# KiCad board MPPT Li-Ion CN3791 charger board_panel.kicad_pcb (continued)
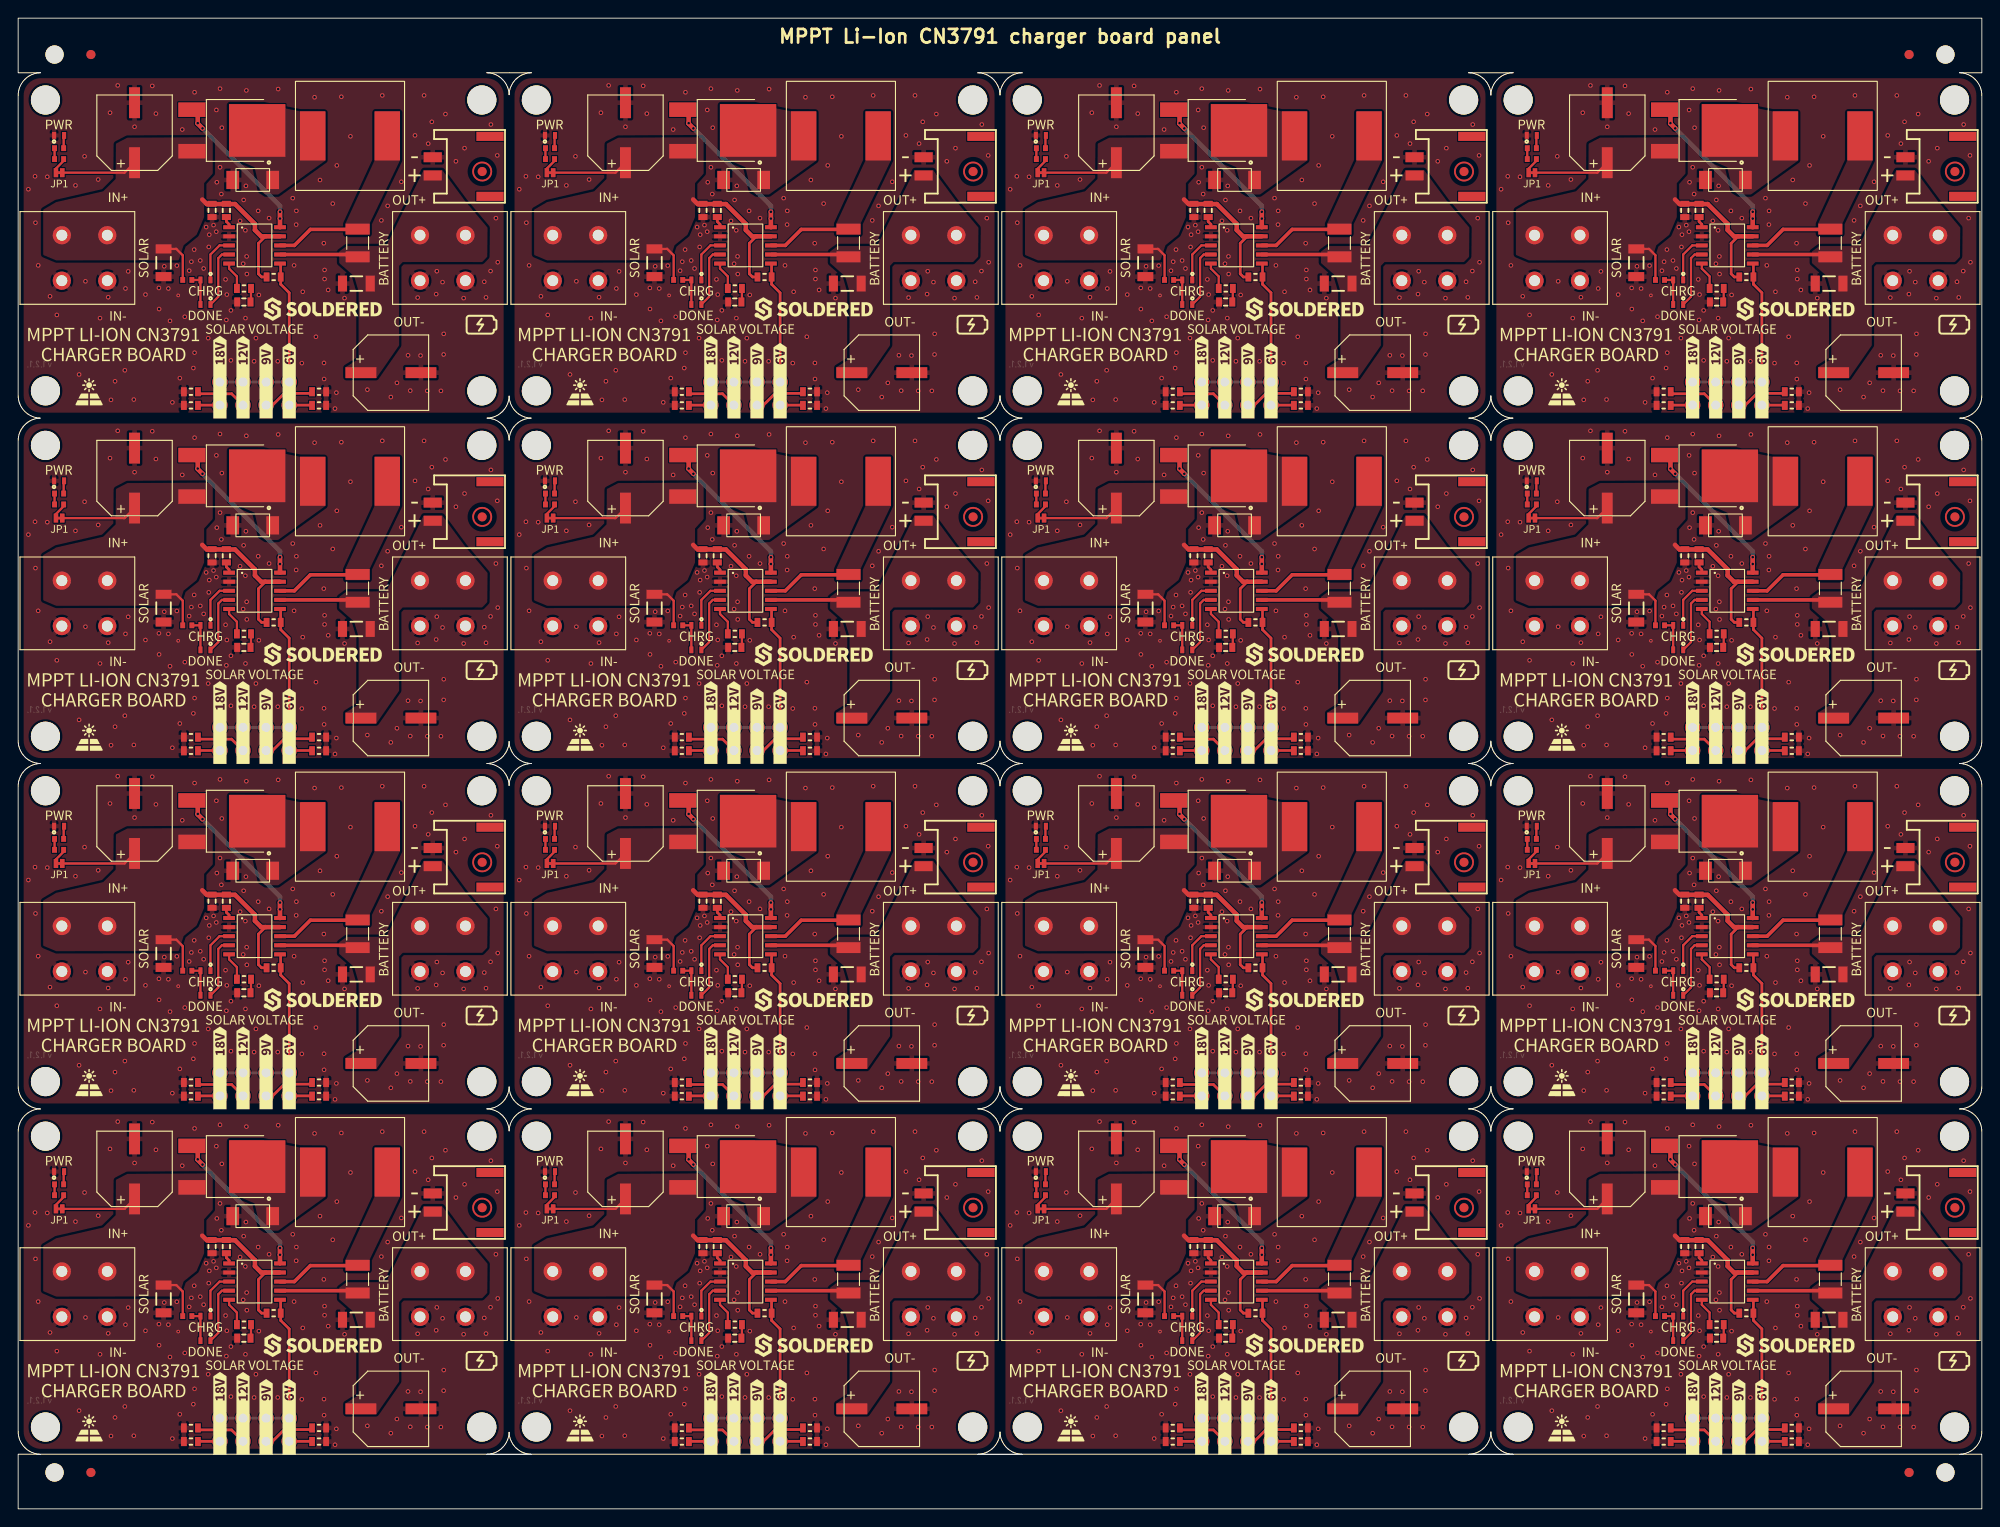
[diagram p0: board, top side]
## Placement (name value [footprint] x y rotation side) (continued)
kibuzzard-63FDC4D6#4  G***  [kibuzzard-63FDC4D6]  173 144.3 0 top
kibuzzard-63FDC4D6#5  G***  [kibuzzard-63FDC4D6]  11 144.3 0 top
kibuzzard-63FDC4D6#6  G***  [kibuzzard-63FDC4D6]  65 30.3 0 top
kibuzzard-63FDC4D6#7  G***  [kibuzzard-63FDC4D6]  119 144.3 0 top
kibuzzard-63FDC4D6#8  G***  [kibuzzard-63FDC4D6]  65 144.3 0 top
kibuzzard-63FDC4D6#9  G***  [kibuzzard-63FDC4D6]  65 68.3 0 top
kibuzzard-63FDC4D6#10  G***  [kibuzzard-63FDC4D6]  173 68.3 0 top
kibuzzard-63FDC4D6#11  G***  [kibuzzard-63FDC4D6]  173 106.3 0 top
kibuzzard-63FDC4D6#12  G***  [kibuzzard-63FDC4D6]  119 30.3 0 top
kibuzzard-63FDC4D6#13  G***  [kibuzzard-63FDC4D6]  173 30.3 0 top
kibuzzard-63FDC4D6#14  G***  [kibuzzard-63FDC4D6]  11 30.3 0 top
kibuzzard-63FDC4D6#15  G***  [kibuzzard-63FDC4D6]  11 68.3 0 top
kibuzzard-63FDC4D6#16  G***  [kibuzzard-63FDC4D6]  11 106.3 0 top
kibuzzard-63FDC4F1  G***  [kibuzzard-63FDC4F1]  65 131.24 0 top
kibuzzard-63FDC4F1#2  G***  [kibuzzard-63FDC4F1]  11 55.24 0 top
kibuzzard-63FDC4F1#3  G***  [kibuzzard-63FDC4F1]  173 17.24 0 top
kibuzzard-63FDC4F1#4  G***  [kibuzzard-63FDC4F1]  173 93.24 0 top
kibuzzard-63FDC4F1#5  G***  [kibuzzard-63FDC4F1]  11 93.24 0 top
kibuzzard-63FDC4F1#6  G***  [kibuzzard-63FDC4F1]  11 17.24 0 top
kibuzzard-63FDC4F1#7  G***  [kibuzzard-63FDC4F1]  65 55.24 0 top
kibuzzard-63FDC4F1#8  G***  [kibuzzard-63FDC4F1]  119 17.24 0 top
kibuzzard-63FDC4F1#9  G***  [kibuzzard-63FDC4F1]  119 131.24 0 top
kibuzzard-63FDC4F1#10  G***  [kibuzzard-63FDC4F1]  173 55.24 0 top
kibuzzard-63FDC4F1#11  G***  [kibuzzard-63FDC4F1]  65 93.24 0 top
kibuzzard-63FDC4F1#12  G***  [kibuzzard-63FDC4F1]  173 131.24 0 top
kibuzzard-63FDC4F1#13  G***  [kibuzzard-63FDC4F1]  65 17.24 0 top
kibuzzard-63FDC4F1#14  G***  [kibuzzard-63FDC4F1]  11 131.24 0 top
kibuzzard-63FDC4F1#15  G***  [kibuzzard-63FDC4F1]  119 93.24 0 top
kibuzzard-63FDC4F1#16  G***  [kibuzzard-63FDC4F1]  119 55.24 0 top
kibuzzard-63FDC6EA  G***  [kibuzzard-63FDC6EA]  43.6 32.7 0 top
kibuzzard-63FDC6EA#2  G***  [kibuzzard-63FDC6EA]  43.6 70.7 0 top
kibuzzard-63FDC6EA#3  G***  [kibuzzard-63FDC6EA]  151.6 108.7 0 top
kibuzzard-63FDC6EA#4  G***  [kibuzzard-63FDC6EA]  205.6 146.7 0 top
kibuzzard-63FDC6EA#5  G***  [kibuzzard-63FDC6EA]  97.6 32.7 0 top
kibuzzard-63FDC6EA#6  G***  [kibuzzard-63FDC6EA]  205.6 108.7 0 top
kibuzzard-63FDC6EA#7  G***  [kibuzzard-63FDC6EA]  43.6 146.7 0 top
kibuzzard-63FDC6EA#8  G***  [kibuzzard-63FDC6EA]  43.6 108.7 0 top
kibuzzard-63FDC6EA#9  G***  [kibuzzard-63FDC6EA]  151.6 32.7 0 top
kibuzzard-63FDC6EA#10  G***  [kibuzzard-63FDC6EA]  151.6 146.7 0 top
kibuzzard-63FDC6EA#11  G***  [kibuzzard-63FDC6EA]  205.6 32.7 0 top
kibuzzard-63FDC6EA#12  G***  [kibuzzard-63FDC6EA]  97.6 108.7 0 top
kibuzzard-63FDC6EA#13  G***  [kibuzzard-63FDC6EA]  97.6 146.7 0 top
kibuzzard-63FDC6EA#14  G***  [kibuzzard-63FDC6EA]  205.6 70.7 0 top
kibuzzard-63FDC6EA#15  G***  [kibuzzard-63FDC6EA]  97.6 70.7 0 top
kibuzzard-63FDC6EA#16  G***  [kibuzzard-63FDC6EA]  151.6 70.7 0 top
kibuzzard-63FDC6FB  G***  [kibuzzard-63FDC6FB]  151.6 72.7 0 top
kibuzzard-63FDC6FB#2  G***  [kibuzzard-63FDC6FB]  43.6 34.7 0 top
kibuzzard-63FDC6FB#3  G***  [kibuzzard-63FDC6FB]  43.6 148.7 0 top
kibuzzard-63FDC6FB#4  G***  [kibuzzard-63FDC6FB]  97.6 148.7 0 top
kibuzzard-63FDC6FB#5  G***  [kibuzzard-63FDC6FB]  151.6 110.7 0 top
kibuzzard-63FDC6FB#6  G***  [kibuzzard-63FDC6FB]  205.6 110.7 0 top
kibuzzard-63FDC6FB#7  G***  [kibuzzard-63FDC6FB]  97.6 110.7 0 top
kibuzzard-63FDC6FB#8  G***  [kibuzzard-63FDC6FB]  43.6 72.7 0 top
kibuzzard-63FDC6FB#9  G***  [kibuzzard-63FDC6FB]  43.6 110.7 0 top
kibuzzard-63FDC6FB#10  G***  [kibuzzard-63FDC6FB]  205.6 148.7 0 top
kibuzzard-63FDC6FB#11  G***  [kibuzzard-63FDC6FB]  205.6 34.7 0 top
kibuzzard-63FDC6FB#12  G***  [kibuzzard-63FDC6FB]  97.6 72.7 0 top
kibuzzard-63FDC6FB#13  G***  [kibuzzard-63FDC6FB]  151.6 148.7 0 top
kibuzzard-63FDC6FB#14  G***  [kibuzzard-63FDC6FB]  97.6 34.7 0 top
kibuzzard-63FDC6FB#15  G***  [kibuzzard-63FDC6FB]  151.6 34.7 0 top
kibuzzard-63FDC6FB#16  G***  [kibuzzard-63FDC6FB]  205.6 72.7 0 top
kibuzzard-63FDC7B8  G***  [kibuzzard-63FDC7B8]  24.73 86.51 90 top
kibuzzard-63FDC7B8#2  G***  [kibuzzard-63FDC7B8]  186.73 10.51 90 top
kibuzzard-63FDC7B8#3  G***  [kibuzzard-63FDC7B8]  186.73 48.51 90 top
kibuzzard-63FDC7B8#4  G***  [kibuzzard-63FDC7B8]  78.73 48.51 90 top
kibuzzard-63FDC7B8#5  G***  [kibuzzard-63FDC7B8]  132.73 10.51 90 top
kibuzzard-63FDC7B8#6  G***  [kibuzzard-63FDC7B8]  186.73 124.51 90 top
kibuzzard-63FDC7B8#7  G***  [kibuzzard-63FDC7B8]  132.73 86.51 90 top
kibuzzard-63FDC7B8#8  G***  [kibuzzard-63FDC7B8]  24.73 124.51 90 top
kibuzzard-63FDC7B8#9  G***  [kibuzzard-63FDC7B8]  186.73 86.51 90 top
kibuzzard-63FDC7B8#10  G***  [kibuzzard-63FDC7B8]  78.73 10.51 90 top
kibuzzard-63FDC7B8#11  G***  [kibuzzard-63FDC7B8]  24.73 48.51 90 top
kibuzzard-63FDC7B8#12  G***  [kibuzzard-63FDC7B8]  78.73 124.51 90 top
kibuzzard-63FDC7B8#13  G***  [kibuzzard-63FDC7B8]  132.73 124.51 90 top
kibuzzard-63FDC7B8#14  G***  [kibuzzard-63FDC7B8]  24.73 10.51 90 top
kibuzzard-63FDC7B8#15  G***  [kibuzzard-63FDC7B8]  78.73 86.51 90 top
kibuzzard-63FDC7B8#16  G***  [kibuzzard-63FDC7B8]  132.73 48.51 90 top
kibuzzard-63FDC7CB  G***  [kibuzzard-63FDC7CB]  135.27 124.12 90 top
kibuzzard-63FDC7CB#2  G***  [kibuzzard-63FDC7CB]  81.27 10.12 90 top
kibuzzard-63FDC7CB#3  G***  [kibuzzard-63FDC7CB]  135.27 10.12 90 top
kibuzzard-63FDC7CB#4  G***  [kibuzzard-63FDC7CB]  27.27 86.12 90 top
kibuzzard-63FDC7CB#5  G***  [kibuzzard-63FDC7CB]  27.27 48.12 90 top
kibuzzard-63FDC7CB#6  G***  [kibuzzard-63FDC7CB]  189.27 48.12 90 top
kibuzzard-63FDC7CB#7  G***  [kibuzzard-63FDC7CB]  27.27 124.12 90 top
kibuzzard-63FDC7CB#8  G***  [kibuzzard-63FDC7CB]  189.27 124.12 90 top
kibuzzard-63FDC7CB#9  G***  [kibuzzard-63FDC7CB]  135.27 48.12 90 top
kibuzzard-63FDC7CB#10  G***  [kibuzzard-63FDC7CB]  27.27 10.12 90 top
kibuzzard-63FDC7CB#11  G***  [kibuzzard-63FDC7CB]  135.27 86.12 90 top
kibuzzard-63FDC7CB#12  G***  [kibuzzard-63FDC7CB]  81.27 48.12 90 top
kibuzzard-63FDC7CB#13  G***  [kibuzzard-63FDC7CB]  81.27 124.12 90 top
kibuzzard-63FDC7CB#14  G***  [kibuzzard-63FDC7CB]  81.27 86.12 90 top
kibuzzard-63FDC7CB#15  G***  [kibuzzard-63FDC7CB]  189.27 86.12 90 top
kibuzzard-63FDC7CB#16  G***  [kibuzzard-63FDC7CB]  189.27 10.12 90 top
kibuzzard-63FDC7F0  G***  [kibuzzard-63FDC7F0]  29.81 10.12 90 top
kibuzzard-63FDC7F0#2  G***  [kibuzzard-63FDC7F0]  137.81 124.12 90 top
kibuzzard-63FDC7F0#3  G***  [kibuzzard-63FDC7F0]  137.81 10.12 90 top
kibuzzard-63FDC7F0#4  G***  [kibuzzard-63FDC7F0]  83.81 10.12 90 top
kibuzzard-63FDC7F0#5  G***  [kibuzzard-63FDC7F0]  191.81 86.12 90 top
kibuzzard-63FDC7F0#6  G***  [kibuzzard-63FDC7F0]  191.81 10.12 90 top
kibuzzard-63FDC7F0#7  G***  [kibuzzard-63FDC7F0]  137.81 86.12 90 top
kibuzzard-63FDC7F0#8  G***  [kibuzzard-63FDC7F0]  29.81 48.12 90 top
kibuzzard-63FDC7F0#9  G***  [kibuzzard-63FDC7F0]  83.81 48.12 90 top
kibuzzard-63FDC7F0#10  G***  [kibuzzard-63FDC7F0]  191.81 48.12 90 top
kibuzzard-63FDC7F0#11  G***  [kibuzzard-63FDC7F0]  137.81 48.12 90 top
kibuzzard-63FDC7F0#12  G***  [kibuzzard-63FDC7F0]  83.81 86.12 90 top
kibuzzard-63FDC7F0#13  G***  [kibuzzard-63FDC7F0]  29.81 124.12 90 top
kibuzzard-63FDC7F0#14  G***  [kibuzzard-63FDC7F0]  83.81 124.12 90 top
kibuzzard-63FDC7F0#15  G***  [kibuzzard-63FDC7F0]  191.81 124.12 90 top
kibuzzard-63FDC7F0#16  G***  [kibuzzard-63FDC7F0]  29.81 86.12 90 top
kibuzzard-63FDC46F  G***  [kibuzzard-63FDC46F]  112.5 76.3 0 top
kibuzzard-63FDC46F#2  G***  [kibuzzard-63FDC46F]  58.5 76.3 0 top
kibuzzard-63FDC46F#3  G***  [kibuzzard-63FDC46F]  166.5 38.3 0 top
kibuzzard-63FDC46F#4  G***  [kibuzzard-63FDC46F]  4.5 76.3 0 top
kibuzzard-63FDC46F#5  G***  [kibuzzard-63FDC46F]  112.5 152.3 0 top
kibuzzard-63FDC46F#6  G***  [kibuzzard-63FDC46F]  4.5 152.3 0 top
kibuzzard-63FDC46F#7  G***  [kibuzzard-63FDC46F]  166.5 114.3 0 top
kibuzzard-63FDC46F#8  G***  [kibuzzard-63FDC46F]  166.5 152.3 0 top
kibuzzard-63FDC46F#9  G***  [kibuzzard-63FDC46F]  112.5 114.3 0 top
kibuzzard-63FDC46F#10  G***  [kibuzzard-63FDC46F]  58.5 114.3 0 top
kibuzzard-63FDC46F#11  G***  [kibuzzard-63FDC46F]  112.5 38.3 0 top
kibuzzard-63FDC46F#12  G***  [kibuzzard-63FDC46F]  166.5 76.3 0 top
kibuzzard-63FDC46F#13  G***  [kibuzzard-63FDC46F]  4.5 38.3 0 top
kibuzzard-63FDC46F#14  G***  [kibuzzard-63FDC46F]  58.5 152.3 0 top
kibuzzard-63FDC46F#15  G***  [kibuzzard-63FDC46F]  4.5 114.3 0 top
kibuzzard-63FDC46F#16  G***  [kibuzzard-63FDC46F]  58.5 38.3 0 top
kibuzzard-63FDC52C  G***  [kibuzzard-63FDC52C]  205 30 0 top
kibuzzard-63FDC52C#2  G***  [kibuzzard-63FDC52C]  43 106 0 top
kibuzzard-63FDC52C#3  G***  [kibuzzard-63FDC52C]  151 30 0 top
kibuzzard-63FDC52C#4  G***  [kibuzzard-63FDC52C]  151 68 0 top
kibuzzard-63FDC52C#5  G***  [kibuzzard-63FDC52C]  97 68 0 top
kibuzzard-63FDC52C#6  G***  [kibuzzard-63FDC52C]  151 106 0 top
kibuzzard-63FDC52C#7  G***  [kibuzzard-63FDC52C]  205 68 0 top
kibuzzard-63FDC52C#8  G***  [kibuzzard-63FDC52C]  97 106 0 top
kibuzzard-63FDC52C#9  G***  [kibuzzard-63FDC52C]  97 30 0 top
kibuzzard-63FDC52C#10  G***  [kibuzzard-63FDC52C]  43 144 0 top
kibuzzard-63FDC52C#11  G***  [kibuzzard-63FDC52C]  43 30 0 top
kibuzzard-63FDC52C#12  G***  [kibuzzard-63FDC52C]  43 68 0 top
kibuzzard-63FDC52C#13  G***  [kibuzzard-63FDC52C]  205 144 0 top
kibuzzard-63FDC52C#14  G***  [kibuzzard-63FDC52C]  151 144 0 top
kibuzzard-63FDC52C#15  G***  [kibuzzard-63FDC52C]  205 106 0 top
kibuzzard-63FDC52C#16  G***  [kibuzzard-63FDC52C]  97 144 0 top
kibuzzard-63FDC496  G***  [kibuzzard-63FDC496]  58.5 31.8 0 top
kibuzzard-63FDC496#2  G***  [kibuzzard-63FDC496]  112.5 107.8 0 top
kibuzzard-63FDC496#3  G***  [kibuzzard-63FDC496]  166.5 31.8 0 top
kibuzzard-63FDC496#4  G***  [kibuzzard-63FDC496]  58.5 145.8 0 top
kibuzzard-63FDC496#5  G***  [kibuzzard-63FDC496]  112.5 145.8 0 top
kibuzzard-63FDC496#6  G***  [kibuzzard-63FDC496]  4.5 31.8 0 top
kibuzzard-63FDC496#7  G***  [kibuzzard-63FDC496]  112.5 31.8 0 top
kibuzzard-63FDC496#8  G***  [kibuzzard-63FDC496]  4.5 69.8 0 top
kibuzzard-63FDC496#9  G***  [kibuzzard-63FDC496]  166.5 69.8 0 top
kibuzzard-63FDC496#10  G***  [kibuzzard-63FDC496]  4.5 107.8 0 top
kibuzzard-63FDC496#11  G***  [kibuzzard-63FDC496]  58.5 107.8 0 top
kibuzzard-63FDC496#12  G***  [kibuzzard-63FDC496]  58.5 69.8 0 top
kibuzzard-63FDC496#13  G***  [kibuzzard-63FDC496]  4.5 145.8 0 top
kibuzzard-63FDC496#14  G***  [kibuzzard-63FDC496]  112.5 69.8 0 top
kibuzzard-63FDC496#15  G***  [kibuzzard-63FDC496]  166.5 107.8 0 top
kibuzzard-63FDC496#16  G***  [kibuzzard-63FDC496]  166.5 145.8 0 top
kibuzzard-63FDC548  G***  [kibuzzard-63FDC548]  43 54.6 0 top
kibuzzard-63FDC548#2  G***  [kibuzzard-63FDC548]  205 16.6 0 top
kibuzzard-63FDC548#3  G***  [kibuzzard-63FDC548]  205 92.6 0 top
kibuzzard-63FDC548#4  G***  [kibuzzard-63FDC548]  151 130.6 0 top
kibuzzard-63FDC548#5  G***  [kibuzzard-63FDC548]  97 92.6 0 top
kibuzzard-63FDC548#6  G***  [kibuzzard-63FDC548]  205 130.6 0 top
kibuzzard-63FDC548#7  G***  [kibuzzard-63FDC548]  97 16.6 0 top
kibuzzard-63FDC548#8  G***  [kibuzzard-63FDC548]  97 130.6 0 top
kibuzzard-63FDC548#9  G***  [kibuzzard-63FDC548]  43 16.6 0 top
kibuzzard-63FDC548#10  G***  [kibuzzard-63FDC548]  43 92.6 0 top
kibuzzard-63FDC548#11  G***  [kibuzzard-63FDC548]  151 54.6 0 top
kibuzzard-63FDC548#12  G***  [kibuzzard-63FDC548]  43 130.6 0 top
kibuzzard-63FDC548#13  G***  [kibuzzard-63FDC548]  205 54.6 0 top
kibuzzard-63FDC548#14  G***  [kibuzzard-63FDC548]  151 92.6 0 top
kibuzzard-63FDC548#15  G***  [kibuzzard-63FDC548]  97 54.6 0 top
kibuzzard-63FDC548#16  G***  [kibuzzard-63FDC548]  151 16.6 0 top
kibuzzard-63FDC760  G***  [kibuzzard-63FDC760]  128.6 58 0 top
kibuzzard-63FDC760#2  G***  [kibuzzard-63FDC760]  20.6 96 0 top
kibuzzard-63FDC760#3  G***  [kibuzzard-63FDC760]  182.6 20 0 top
kibuzzard-63FDC760#4  G***  [kibuzzard-63FDC760]  74.6 20 0 top
kibuzzard-63FDC760#5  G***  [kibuzzard-63FDC760]  128.6 20 0 top
kibuzzard-63FDC760#6  G***  [kibuzzard-63FDC760]  128.6 134 0 top
kibuzzard-63FDC760#7  G***  [kibuzzard-63FDC760]  74.6 58 0 top
kibuzzard-63FDC760#8  G***  [kibuzzard-63FDC760]  74.6 134 0 top
kibuzzard-63FDC760#9  G***  [kibuzzard-63FDC760]  20.6 20 0 top
kibuzzard-63FDC760#10  G***  [kibuzzard-63FDC760]  20.6 58 0 top
kibuzzard-63FDC760#11  G***  [kibuzzard-63FDC760]  128.6 96 0 top
kibuzzard-63FDC760#12  G***  [kibuzzard-63FDC760]  74.6 96 0 top
kibuzzard-63FDC760#13  G***  [kibuzzard-63FDC760]  20.6 134 0 top
kibuzzard-63FDC760#14  G***  [kibuzzard-63FDC760]  182.6 96 0 top
kibuzzard-63FDC760#15  G***  [kibuzzard-63FDC760]  182.6 58 0 top
kibuzzard-63FDC760#16  G***  [kibuzzard-63FDC760]  182.6 134 0 top
kibuzzard-63FDC769  G***  [kibuzzard-63FDC769]  182.6 131.3 0 top
kibuzzard-63FDC769#2  G***  [kibuzzard-63FDC769]  20.6 131.3 0 top
kibuzzard-63FDC769#3  G***  [kibuzzard-63FDC769]  74.6 55.3 0 top
kibuzzard-63FDC769#4  G***  [kibuzzard-63FDC769]  74.6 17.3 0 top
kibuzzard-63FDC769#5  G***  [kibuzzard-63FDC769]  20.6 17.3 0 top
kibuzzard-63FDC769#6  G***  [kibuzzard-63FDC769]  128.6 93.3 0 top
kibuzzard-63FDC769#7  G***  [kibuzzard-63FDC769]  128.6 55.3 0 top
kibuzzard-63FDC769#8  G***  [kibuzzard-63FDC769]  128.6 131.3 0 top
kibuzzard-63FDC769#9  G***  [kibuzzard-63FDC769]  20.6 55.3 0 top
kibuzzard-63FDC769#10  G***  [kibuzzard-63FDC769]  182.6 17.3 0 top
kibuzzard-63FDC769#11  G***  [kibuzzard-63FDC769]  128.6 17.3 0 top
kibuzzard-63FDC769#12  G***  [kibuzzard-63FDC769]  182.6 55.3 0 top
kibuzzard-63FDC769#13  G***  [kibuzzard-63FDC769]  74.6 93.3 0 top
kibuzzard-63FDC769#14  G***  [kibuzzard-63FDC769]  20.6 93.3 0 top
kibuzzard-63FDC769#15  G***  [kibuzzard-63FDC769]  182.6 93.3 0 top
kibuzzard-63FDC769#16  G***  [kibuzzard-63FDC769]  74.6 131.3 0 top
kibuzzard-63FDC797  G***  [kibuzzard-63FDC797]  130.19 86.51 90 top
kibuzzard-63FDC797#2  G***  [kibuzzard-63FDC797]  184.19 10.51 90 top
kibuzzard-63FDC797#3  G***  [kibuzzard-63FDC797]  22.19 124.51 90 top
kibuzzard-63FDC797#4  G***  [kibuzzard-63FDC797]  76.19 48.51 90 top
kibuzzard-63FDC797#5  G***  [kibuzzard-63FDC797]  22.19 48.51 90 top
kibuzzard-63FDC797#6  G***  [kibuzzard-63FDC797]  184.19 86.51 90 top
kibuzzard-63FDC797#7  G***  [kibuzzard-63FDC797]  130.19 48.51 90 top
kibuzzard-63FDC797#8  G***  [kibuzzard-63FDC797]  76.19 124.51 90 top
kibuzzard-63FDC797#9  G***  [kibuzzard-63FDC797]  76.19 86.51 90 top
kibuzzard-63FDC797#10  G***  [kibuzzard-63FDC797]  130.19 10.51 90 top
kibuzzard-63FDC797#11  G***  [kibuzzard-63FDC797]  184.19 48.51 90 top
kibuzzard-63FDC797#12  G***  [kibuzzard-63FDC797]  184.19 124.51 90 top
kibuzzard-63FDC797#13  G***  [kibuzzard-63FDC797]  22.19 10.51 90 top
kibuzzard-63FDC797#14  G***  [kibuzzard-63FDC797]  76.19 10.51 90 top
kibuzzard-63FDC797#15  G***  [kibuzzard-63FDC797]  22.19 86.51 90 top
kibuzzard-63FDC797#16  G***  [kibuzzard-63FDC797]  130.19 124.51 90 top
kibuzzard-65F310BD  G***  [kibuzzard-65F310BD]  40.2 23.62 90 top
kibuzzard-65F310BD#2  G***  [kibuzzard-65F310BD]  40.2 61.62 90 top
kibuzzard-65F310BD#3  G***  [kibuzzard-65F310BD]  202.2 61.62 90 top
kibuzzard-65F310BD#4  G***  [kibuzzard-65F310BD]  202.2 23.62 90 top
kibuzzard-65F310BD#5  G***  [kibuzzard-65F310BD]  94.2 137.62 90 top
kibuzzard-65F310BD#6  G***  [kibuzzard-65F310BD]  94.2 23.62 90 top
kibuzzard-65F310BD#7  G***  [kibuzzard-65F310BD]  148.2 137.62 90 top
kibuzzard-65F310BD#8  G***  [kibuzzard-65F310BD]  202.2 137.62 90 top
kibuzzard-65F310BD#9  G***  [kibuzzard-65F310BD]  94.2 61.62 90 top
kibuzzard-65F310BD#10  G***  [kibuzzard-65F310BD]  148.2 61.62 90 top
kibuzzard-65F310BD#11  G***  [kibuzzard-65F310BD]  40.2 137.62 90 top
kibuzzard-65F310BD#12  G***  [kibuzzard-65F310BD]  40.2 99.62 90 top
kibuzzard-65F310BD#13  G***  [kibuzzard-65F310BD]  148.2 23.62 90 top
kibuzzard-65F310BD#14  G***  [kibuzzard-65F310BD]  202.2 99.62 90 top
kibuzzard-65F310BD#15  G***  [kibuzzard-65F310BD]  148.2 99.62 90 top
kibuzzard-65F310BD#16  G***  [kibuzzard-65F310BD]  94.2 99.62 90 top
kibuzzard-65F312C9  G***  [kibuzzard-65F312C9]  118.5 129.2 0 top
kibuzzard-65F312C9#2  G***  [kibuzzard-65F312C9]  10.5 129.2 0 top
kibuzzard-65F312C9#3  G***  [kibuzzard-65F312C9]  10.5 53.2 0 top
kibuzzard-65F312C9#4  G***  [kibuzzard-65F312C9]  118.5 91.2 0 top
kibuzzard-65F312C9#5  G***  [kibuzzard-65F312C9]  172.5 15.2 0 top
kibuzzard-65F312C9#6  G***  [kibuzzard-65F312C9]  64.5 129.2 0 top
kibuzzard-65F312C9#7  G***  [kibuzzard-65F312C9]  10.5 91.2 0 top
kibuzzard-65F312C9#8  G***  [kibuzzard-65F312C9]  64.5 15.2 0 top
kibuzzard-65F312C9#9  G***  [kibuzzard-65F312C9]  172.5 129.2 0 top
kibuzzard-65F312C9#10  G***  [kibuzzard-65F312C9]  64.5 53.2 0 top
kibuzzard-65F312C9#11  G***  [kibuzzard-65F312C9]  64.5 91.2 0 top
kibuzzard-65F312C9#12  G***  [kibuzzard-65F312C9]  118.5 15.2 0 top
kibuzzard-65F312C9#13  G***  [kibuzzard-65F312C9]  118.5 53.2 0 top
kibuzzard-65F312C9#14  G***  [kibuzzard-65F312C9]  172.5 53.2 0 top
kibuzzard-65F312C9#15  G***  [kibuzzard-65F312C9]  10.5 15.2 0 top
kibuzzard-65F312C9#16  G***  [kibuzzard-65F312C9]  172.5 91.2 0 top
kibuzzard-65F312DB  G***  [kibuzzard-65F312DB]  10.5 51 0 top
kibuzzard-65F312DB#2  G***  [kibuzzard-65F312DB]  118.5 51 0 top
kibuzzard-65F312DB#3  G***  [kibuzzard-65F312DB]  10.5 127 0 top
kibuzzard-65F312DB#4  G***  [kibuzzard-65F312DB]  64.5 127 0 top
kibuzzard-65F312DB#5  G***  [kibuzzard-65F312DB]  172.5 13 0 top
kibuzzard-65F312DB#6  G***  [kibuzzard-65F312DB]  172.5 127 0 top
kibuzzard-65F312DB#7  G***  [kibuzzard-65F312DB]  118.5 89 0 top
kibuzzard-65F312DB#8  G***  [kibuzzard-65F312DB]  10.5 13 0 top
kibuzzard-65F312DB#9  G***  [kibuzzard-65F312DB]  10.5 89 0 top
kibuzzard-65F312DB#10  G***  [kibuzzard-65F312DB]  64.5 89 0 top
kibuzzard-65F312DB#11  G***  [kibuzzard-65F312DB]  118.5 13 0 top
kibuzzard-65F312DB#12  G***  [kibuzzard-65F312DB]  64.5 13 0 top
kibuzzard-65F312DB#13  G***  [kibuzzard-65F312DB]  172.5 51 0 top
kibuzzard-65F312DB#14  G***  [kibuzzard-65F312DB]  64.5 51 0 top
kibuzzard-65F312DB#15  G***  [kibuzzard-65F312DB]  172.5 89 0 top
kibuzzard-65F312DB#16  G***  [kibuzzard-65F312DB]  118.5 127 0 top
kibuzzard-65F3056F  G***  [kibuzzard-65F3056F]  80 91.8 0 top
kibuzzard-65F3056F#2  G***  [kibuzzard-65F3056F]  188 53.8 0 top
kibuzzard-65F3056F#3  G***  [kibuzzard-65F3056F]  26 129.8 0 top
kibuzzard-65F3056F#4  G***  [kibuzzard-65F3056F]  80 53.8 0 top
kibuzzard-65F3056F#5  G***  [kibuzzard-65F3056F]  26 53.8 0 top
kibuzzard-65F3056F#6  G***  [kibuzzard-65F3056F]  80 15.8 0 top
kibuzzard-65F3056F#7  G***  [kibuzzard-65F3056F]  26 91.8 0 top
kibuzzard-65F3056F#8  G***  [kibuzzard-65F3056F]  134 91.8 0 top
kibuzzard-65F3056F#9  G***  [kibuzzard-65F3056F]  26 15.8 0 top
kibuzzard-65F3056F#10  G***  [kibuzzard-65F3056F]  134 53.8 0 top
kibuzzard-65F3056F#11  G***  [kibuzzard-65F3056F]  188 91.8 0 top
kibuzzard-65F3056F#12  G***  [kibuzzard-65F3056F]  134 129.8 0 top
kibuzzard-65F3056F#13  G***  [kibuzzard-65F3056F]  188 15.8 0 top
kibuzzard-65F3056F#14  G***  [kibuzzard-65F3056F]  134 15.8 0 top
kibuzzard-65F3056F#15  G***  [kibuzzard-65F3056F]  188 129.8 0 top
kibuzzard-65F3056F#16  G***  [kibuzzard-65F3056F]  80 129.8 0 top
kibuzzard-65F31058  G***  [kibuzzard-65F31058]  175.8 61.62 90 top
kibuzzard-65F31058#2  G***  [kibuzzard-65F31058]  13.8 99.62 90 top
kibuzzard-65F31058#3  G***  [kibuzzard-65F31058]  121.8 137.62 90 top
kibuzzard-65F31058#4  G***  [kibuzzard-65F31058]  67.8 23.62 90 top
kibuzzard-65F31058#5  G***  [kibuzzard-65F31058]  13.8 61.62 90 top
kibuzzard-65F31058#6  G***  [kibuzzard-65F31058]  175.8 99.62 90 top
kibuzzard-65F31058#7  G***  [kibuzzard-65F31058]  121.8 99.62 90 top
kibuzzard-65F31058#8  G***  [kibuzzard-65F31058]  13.8 137.62 90 top
kibuzzard-65F31058#9  G***  [kibuzzard-65F31058]  13.8 23.62 90 top
kibuzzard-65F31058#10  G***  [kibuzzard-65F31058]  121.8 61.62 90 top
kibuzzard-65F31058#11  G***  [kibuzzard-65F31058]  67.8 137.62 90 top
kibuzzard-65F31058#12  G***  [kibuzzard-65F31058]  67.8 99.62 90 top
kibuzzard-65F31058#13  G***  [kibuzzard-65F31058]  175.8 23.62 90 top
kibuzzard-65F31058#14  G***  [kibuzzard-65F31058]  121.8 23.62 90 top
kibuzzard-65F31058#15  G***  [kibuzzard-65F31058]  175.8 137.62 90 top
kibuzzard-65F31058#16  G***  [kibuzzard-65F31058]  67.8 61.62 90 top
L1  -  [YPRH1209-470M]  90.5 37.05 0 top
L1#2  -  [YPRH1209-470M]  36.5 113.05 0 top
L1#3  -  [YPRH1209-470M]  198.5 113.05 0 top
L1#4  -  [YPRH1209-470M]  36.5 37.05 0 top
L1#5  -  [YPRH1209-470M]  36.5 151.05 0 top
L1#6  -  [YPRH1209-470M]  144.5 151.05 0 top
L1#7  -  [YPRH1209-470M]  90.5 113.05 0 top
L1#8  -  [YPRH1209-470M]  198.5 75.05 0 top
L1#9  -  [YPRH1209-470M]  198.5 151.05 0 top
L1#10  -  [YPRH1209-470M]  198.5 37.05 0 top
L1#11  -  [YPRH1209-470M]  90.5 75.05 0 top
L1#12  -  [YPRH1209-470M]  36.5 75.05 0 top
L1#13  -  [YPRH1209-470M]  144.5 113.05 0 top
L1#14  -  [YPRH1209-470M]  144.5 37.05 0 top
L1#15  -  [YPRH1209-470M]  144.5 75.05 0 top
L1#16  -  [YPRH1209-470M]  90.5 151.05 0 top
R1  4k7  [0402R]  18.6 59.2 180 top
R1#2  4k7  [0402R]  126.6 97.2 180 top
R1#3  4k7  [0402R]  18.6 21.2 180 top
R1#4  4k7  [0402R]  72.6 97.2 180 top
R1#5  4k7  [0402R]  126.6 21.2 180 top
R1#6  4k7  [0402R]  126.6 59.2 180 top
R1#7  4k7  [0402R]  18.6 97.2 180 top
R1#8  4k7  [0402R]  72.6 59.2 180 top
R1#9  4k7  [0402R]  180.6 21.2 180 top
R1#10  4k7  [0402R]  180.6 97.2 180 top
R1#11  4k7  [0402R]  126.6 135.2 180 top
R1#12  4k7  [0402R]  180.6 59.2 180 top
R1#13  4k7  [0402R]  72.6 135.2 180 top
R1#14  4k7  [0402R]  180.6 135.2 180 top
R1#15  4k7  [0402R]  18.6 135.2 180 top
R1#16  4k7  [0402R]  72.6 21.2 180 top
R2  120R  [0603R]  132.84 96.27 180 top
R2#2  120R  [0603R]  24.84 134.27 180 top
R2#3  120R  [0603R]  132.84 58.27 180 top
R2#4  120R  [0603R]  24.84 96.27 180 top
R2#5  120R  [0603R]  132.84 134.27 180 top
R2#6  120R  [0603R]  78.84 58.27 180 top
R2#7  120R  [0603R]  78.84 96.27 180 top
R2#8  120R  [0603R]  78.84 20.27 180 top
R2#9  120R  [0603R]  24.84 58.27 180 top
R2#10  120R  [0603R]  186.84 134.27 180 top
R2#11  120R  [0603R]  24.84 20.27 180 top
R2#12  120R  [0603R]  186.84 20.27 180 top
R2#13  120R  [0603R]  186.84 58.27 180 top
R2#14  120R  [0603R]  186.84 96.27 180 top
R2#15  120R  [0603R]  132.84 20.27 180 top
R2#16  120R  [0603R]  78.84 134.27 180 top
R3  30k  [0603R]  181 83.4 0 top
R3#2  30k  [0603R]  73 45.4 0 top
R3#3  30k  [0603R]  127 83.4 0 top
R3#4  30k  [0603R]  73 83.4 0 top
R3#5  30k  [0603R]  19 45.4 0 top
R3#6  30k  [0603R]  73 7.4 0 top
R3#7  30k  [0603R]  181 121.4 0 top
R3#8  30k  [0603R]  181 45.4 0 top
R3#9  30k  [0603R]  181 7.4 0 top
R3#10  30k  [0603R]  127 45.4 0 top
R3#11  30k  [0603R]  19 7.4 0 top
R3#12  30k  [0603R]  19 121.4 0 top
R3#13  30k  [0603R]  127 7.4 0 top
R3#14  30k  [0603R]  73 121.4 0 top
R3#15  30k  [0603R]  19 83.4 0 top
R3#16  30k  [0603R]  127 121.4 0 top
R4  62k  [0603R]  19 8.9 0 top
R4#2  62k  [0603R]  73 122.9 0 top
R4#3  62k  [0603R]  181 84.9 0 top
R4#4  62k  [0603R]  181 8.9 0 top
R4#5  62k  [0603R]  127 8.9 0 top
R4#6  62k  [0603R]  181 46.9 0 top
R4#7  62k  [0603R]  73 84.9 0 top
R4#8  62k  [0603R]  19 122.9 0 top
R4#9  62k  [0603R]  127 84.9 0 top
R4#10  62k  [0603R]  19 84.9 0 top
R4#11  62k  [0603R]  73 8.9 0 top
R4#12  62k  [0603R]  127 46.9 0 top
R4#13  62k  [0603R]  127 122.9 0 top
R4#14  62k  [0603R]  181 122.9 0 top
R4#15  62k  [0603R]  73 46.9 0 top
R4#16  62k  [0603R]  19 46.9 0 top
R5  300k  [0603R]  82.1 59.53 180 top
R5#2  300k  [0603R]  28.1 21.53 180 top
R5#3  300k  [0603R]  136.1 135.53 180 top
R5#4  300k  [0603R]  136.1 21.53 180 top
R5#5  300k  [0603R]  28.1 59.53 180 top
R5#6  300k  [0603R]  190.1 21.53 180 top
R5#7  300k  [0603R]  136.1 97.53 180 top
R5#8  300k  [0603R]  190.1 59.53 180 top
R5#9  300k  [0603R]  136.1 59.53 180 top
R5#10  300k  [0603R]  28.1 135.53 180 top
R5#11  300k  [0603R]  82.1 135.53 180 top
R5#12  300k  [0603R]  190.1 97.53 180 top
R5#13  300k  [0603R]  28.1 97.53 180 top
R5#14  300k  [0603R]  82.1 21.53 180 top
R5#15  300k  [0603R]  82.1 97.53 180 top
R5#16  300k  [0603R]  190.1 135.53 180 top
R6  130k  [0603R]  87.1 8.9 180 top
R6#2  130k  [0603R]  87.1 122.9 180 top
R6#3  130k  [0603R]  87.1 46.9 180 top
R6#4  130k  [0603R]  33.1 46.9 180 top
R6#5  130k  [0603R]  195.1 46.9 180 top
R6#6  130k  [0603R]  141.1 46.9 180 top
R6#7  130k  [0603R]  141.1 122.9 180 top
R6#8  130k  [0603R]  33.1 84.9 180 top
R6#9  130k  [0603R]  33.1 8.9 180 top
R6#10  130k  [0603R]  141.1 8.9 180 top
R6#11  130k  [0603R]  33.1 122.9 180 top
R6#12  130k  [0603R]  195.1 84.9 180 top
R6#13  130k  [0603R]  87.1 84.9 180 top
R6#14  130k  [0603R]  141.1 84.9 180 top
R6#15  130k  [0603R]  195.1 122.9 180 top
R6#16  130k  [0603R]  195.1 8.9 180 top
R7  75k  [0603R]  141.1 83.4 180 top
R7#2  75k  [0603R]  195.1 45.4 180 top
R7#3  75k  [0603R]  87.1 83.4 180 top
R7#4  75k  [0603R]  141.1 121.4 180 top
R7#5  75k  [0603R]  33.1 7.4 180 top
R7#6  75k  [0603R]  141.1 7.4 180 top
R7#7  75k  [0603R]  87.1 45.4 180 top
R7#8  75k  [0603R]  195.1 83.4 180 top
R7#9  75k  [0603R]  33.1 83.4 180 top
R7#10  75k  [0603R]  33.1 45.4 180 top
R7#11  75k  [0603R]  141.1 45.4 180 top
R7#12  75k  [0603R]  195.1 121.4 180 top
R7#13  75k  [0603R]  195.1 7.4 180 top
R7#14  75k  [0603R]  33.1 121.4 180 top
R7#15  75k  [0603R]  87.1 121.4 180 top
R7#16  75k  [0603R]  87.1 7.4 180 top
R8  40m  [1210R]  145.34 25.27 270 top
R8#2  40m  [1210R]  145.34 139.27 270 top
R8#3  40m  [1210R]  37.34 101.27 270 top
R8#4  40m  [1210R]  145.34 101.27 270 top
R8#5  40m  [1210R]  37.34 139.27 270 top
R8#6  40m  [1210R]  37.34 25.27 270 top
R8#7  40m  [1210R]  199.34 25.27 270 top
R8#8  40m  [1210R]  91.34 101.27 270 top
R8#9  40m  [1210R]  199.34 63.27 270 top
R8#10  40m  [1210R]  199.34 101.27 270 top
R8#11  40m  [1210R]  91.34 63.27 270 top
R8#12  40m  [1210R]  199.34 139.27 270 top
R8#13  40m  [1210R]  145.34 63.27 270 top
R8#14  40m  [1210R]  37.34 63.27 270 top
R8#15  40m  [1210R]  91.34 139.27 270 top
R8#16  40m  [1210R]  91.34 25.27 270 top
R9  2k2  [0402R]  112.5 73.7 0 top
R9#2  2k2  [0402R]  58.5 35.7 0 top
R9#3  2k2  [0402R]  4.5 73.7 0 top
R9#4  2k2  [0402R]  4.5 111.7 0 top
R9#5  2k2  [0402R]  4.5 35.7 0 top
R9#6  2k2  [0402R]  58.5 149.7 0 top
R9#7  2k2  [0402R]  166.5 35.7 0 top
R9#8  2k2  [0402R]  58.5 73.7 0 top
R9#9  2k2  [0402R]  4.5 149.7 0 top
R9#10  2k2  [0402R]  166.5 73.7 0 top
R9#11  2k2  [0402R]  166.5 149.7 0 top
R9#12  2k2  [0402R]  112.5 149.7 0 top
R9#13  2k2  [0402R]  112.5 111.7 0 top
R9#14  2k2  [0402R]  112.5 35.7 0 top
R9#15  2k2  [0402R]  166.5 111.7 0 top
R9#16  2k2  [0402R]  58.5 111.7 0 top
R10  2k2  [0402R]  4.5 148.5 180 top
R10#2  2k2  [0402R]  58.5 72.5 180 top
R10#3  2k2  [0402R]  4.5 110.5 180 top
R10#4  2k2  [0402R]  4.5 72.5 180 top
R10#5  2k2  [0402R]  58.5 34.5 180 top
R10#6  2k2  [0402R]  58.5 110.5 180 top
R10#7  2k2  [0402R]  166.5 72.5 180 top
R10#8  2k2  [0402R]  58.5 148.5 180 top
R10#9  2k2  [0402R]  4.5 34.5 180 top
R10#10  2k2  [0402R]  112.5 34.5 180 top
R10#11  2k2  [0402R]  166.5 34.5 180 top
R10#12  2k2  [0402R]  112.5 148.5 180 top
R10#13  2k2  [0402R]  112.5 72.5 180 top
R10#14  2k2  [0402R]  166.5 148.5 180 top
R10#15  2k2  [0402R]  112.5 110.5 180 top
R10#16  2k2  [0402R]  166.5 110.5 180 top
REF**  -  [Logo-Back-CE-3.5mm]  120.5 84 0 top
REF**#2  -  [Logo-Back-UKCA-3.5mm]  8 122 0 top
REF**#3  -  [Logo-Front-SolderedFULL-13mm]  141.5 94 0 top
REF**#4  Logo-Front-SolderedFULL-20mm  [Logo-Back-SolderedFULL-20mm]  189 139 0 top
REF**#5  -  [Fiducial]  8 4 0 top
REF**#6  -  [Logo-Back-UKCA-3.5mm]  62 46 0 top
REF**#7  Logo-Front-SolderedFULL-20mm  [Logo-Back-SolderedFULL-20mm]  135 139 0 top
REF**#8  Logo-Front-SolderedFULL-20mm  [Logo-Back-SolderedFULL-20mm]  27 139 0 top
REF**#9  -  [Logo-Back-CE-3.5mm]  66.5 46 0 top
REF**#10  Logo-Front-SolderedFULL-20mm  [Logo-Back-SolderedFULL-20mm]  27 63 0 top
REF**#11  -  [Logo-Front-SolderedFULL-13mm]  87.5 132 0 top
REF**#12  -  [Logo-Back-UKCA-3.5mm]  170 84 0 top
REF**#13  -  [Logo-Back-UKCA-3.5mm]  8 8 0 top
REF**#14  -  [Logo-Back-CE-3.5mm]  174.5 84 0 top
REF**#15  -  [Logo-Back-CE-3.5mm]  12.5 122 0 top
REF**#16  -  [Logo-Front-SolderedFULL-13mm]  87.5 94 0 top
REF**#17  -  [Logo-Back-UKCA-3.5mm]  170 122 0 top
REF**#18  Logo-Front-SolderedFULL-20mm  [Logo-Back-SolderedFULL-20mm]  27 25 0 top
REF**#19  -  [Logo-Back-UKCA-3.5mm]  116 84 0 top
REF**#20  -  [Logo-Back-UKCA-3.5mm]  8 46 0 top
REF**#21  -  [NPTH]  4 4 0 top
REF**#22  Logo-Front-SolderedFULL-20mm  [Logo-Back-SolderedFULL-20mm]  135 63 0 top
REF**#23  -  [Logo-Back-CE-3.5mm]  12.5 8 0 top
REF**#24  -  [Logo-Back-UKCA-3.5mm]  116 122 0 top
REF**#25  -  [Logo-Back-CE-3.5mm]  12.5 46 0 top
REF**#26  -  [Logo-Back-UKCA-3.5mm]  62 8 0 top
REF**#27  -  [NPTH]  212 4 0 top
REF**#28  -  [Logo-Back-UKCA-3.5mm]  116 8 0 top
REF**#29  -  [Logo-Front-SolderedFULL-13mm]  87.5 18 0 top
REF**#30  -  [Logo-Back-UKCA-3.5mm]  116 46 0 top
REF**#31  -  [Logo-Back-CE-3.5mm]  174.5 8 0 top
REF**#32  -  [Logo-Front-SolderedFULL-13mm]  33.5 132 0 top
REF**#33  -  [Fiducial]  8 160 0 top
REF**#34  -  [Logo-Front-SolderedFULL-13mm]  141.5 56 0 top
REF**#35  -  [Logo-Back-CE-3.5mm]  174.5 46 0 top
REF**#36  -  [Fiducial]  208 160 0 top
REF**#37  -  [Logo-Front-SolderedFULL-13mm]  141.5 18 0 top
REF**#38  Logo-Front-SolderedFULL-20mm  [Logo-Back-SolderedFULL-20mm]  135 25 0 top
REF**#39  -  [Logo-Back-CE-3.5mm]  120.5 122 0 top
REF**#40  -  [Fiducial]  208 4 0 top
REF**#41  Logo-Front-SolderedFULL-20mm  [Logo-Back-SolderedFULL-20mm]  81 25 0 top
REF**#42  -  [Logo-Front-SolderedFULL-13mm]  141.5 132 0 top
REF**#43  -  [Logo-Back-CE-3.5mm]  66.5 8 0 top
REF**#44  Logo-Front-SolderedFULL-20mm  [Logo-Back-SolderedFULL-20mm]  189 63 0 top
REF**#45  -  [Logo-Back-CE-3.5mm]  66.5 84 0 top
REF**#46  -  [Logo-Back-UKCA-3.5mm]  170 8 0 top
REF**#47  -  [NPTH]  212 160 0 top
REF**#48  -  [Logo-Front-SolderedFULL-13mm]  33.5 94 0 top
REF**#49  Logo-Front-SolderedFULL-20mm  [Logo-Back-SolderedFULL-20mm]  189 25 0 top
REF**#50  Logo-Front-SolderedFULL-20mm  [Logo-Back-SolderedFULL-20mm]  81 63 0 top
REF**#51  -  [Logo-Back-CE-3.5mm]  12.5 84 0 top
REF**#52  -  [Logo-Back-UKCA-3.5mm]  8 84 0 top
REF**#53  -  [Logo-Back-UKCA-3.5mm]  170 46 0 top
REF**#54  Logo-Front-SolderedFULL-20mm  [Logo-Back-SolderedFULL-20mm]  135 101 0 top
REF**#55  -  [Logo-Front-SolderedFULL-13mm]  195.5 94 0 top
REF**#56  Logo-Front-SolderedFULL-20mm  [Logo-Back-SolderedFULL-20mm]  27 101 0 top
REF**#57  Logo-Front-SolderedFULL-20mm  [Logo-Back-SolderedFULL-20mm]  81 139 0 top
REF**#58  -  [Logo-Back-CE-3.5mm]  174.5 122 0 top
REF**#59  Logo-Front-SolderedFULL-20mm  [Logo-Back-SolderedFULL-20mm]  81 101 0 top
REF**#60  -  [NPTH]  4 160 0 top
REF**#61  -  [Logo-Front-SolderedFULL-13mm]  87.5 56 0 top
REF**#62  -  [Logo-Back-CE-3.5mm]  120.5 46 0 top
